# Altium PCB v3stiny.PcbDoc (part 1 of 2)
Units mm, origin at the board's own origin, x right, y up, seen from the top; angles counter-clockwise.
Board outline 63.83 x 34.29 mm, 2 copper layers (Top Layer, Bottom Layer), stack 0.871 mm thick; 140 components, 108 nets, 647 pads, 214 vias.
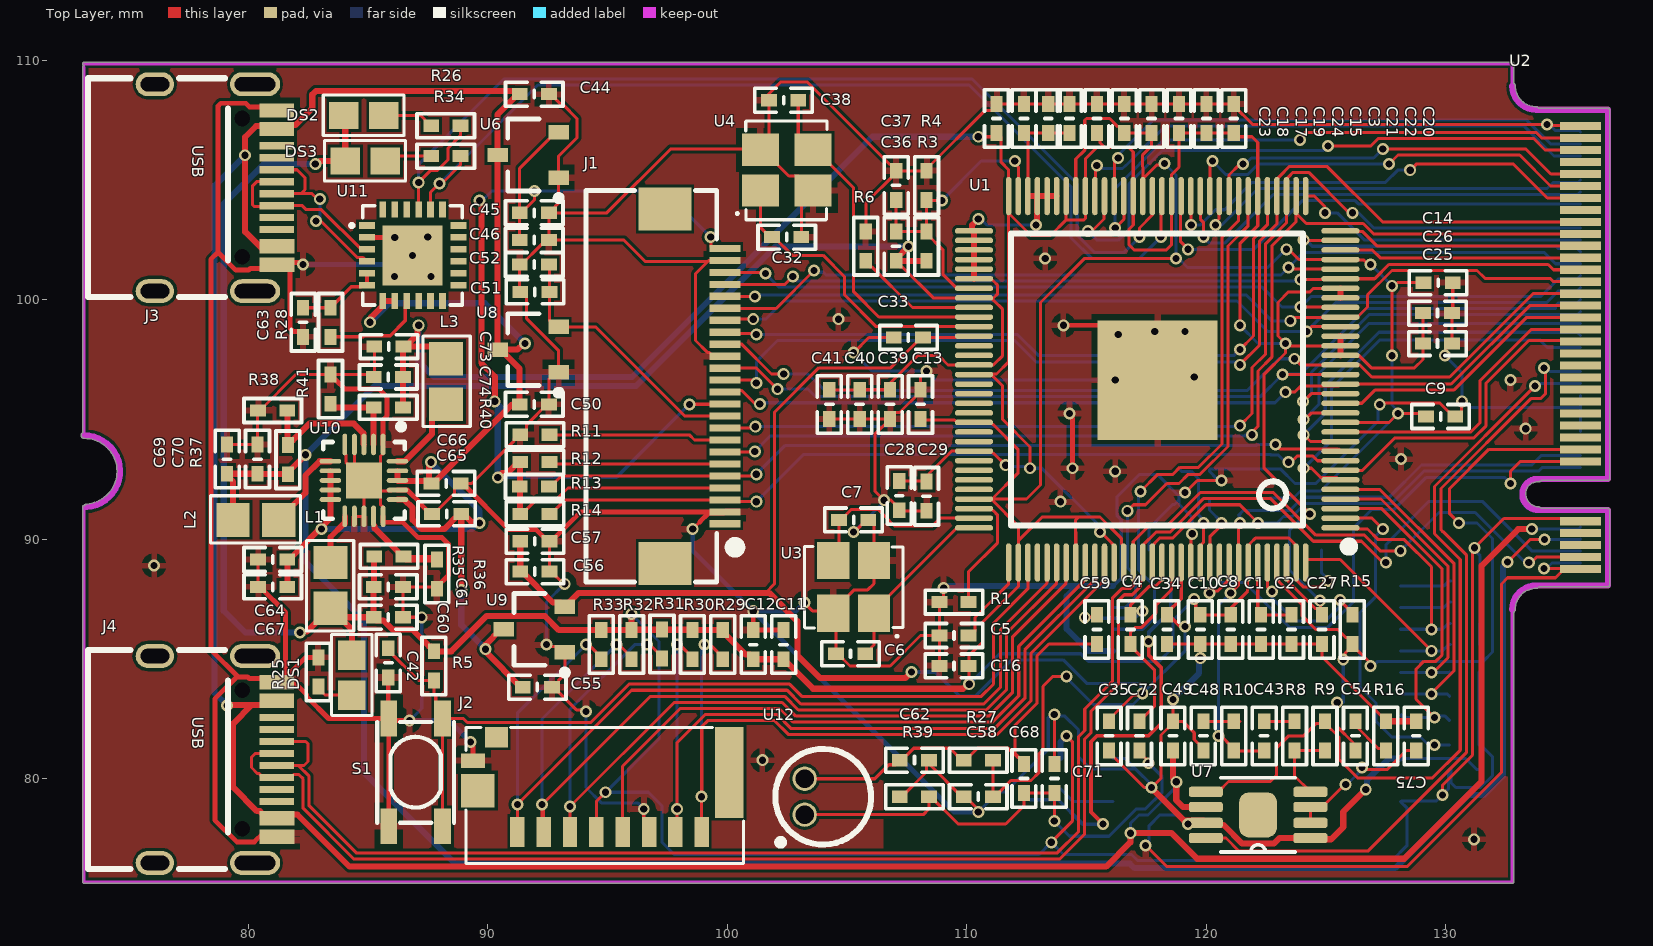
[diagram p0: Top Layer view]
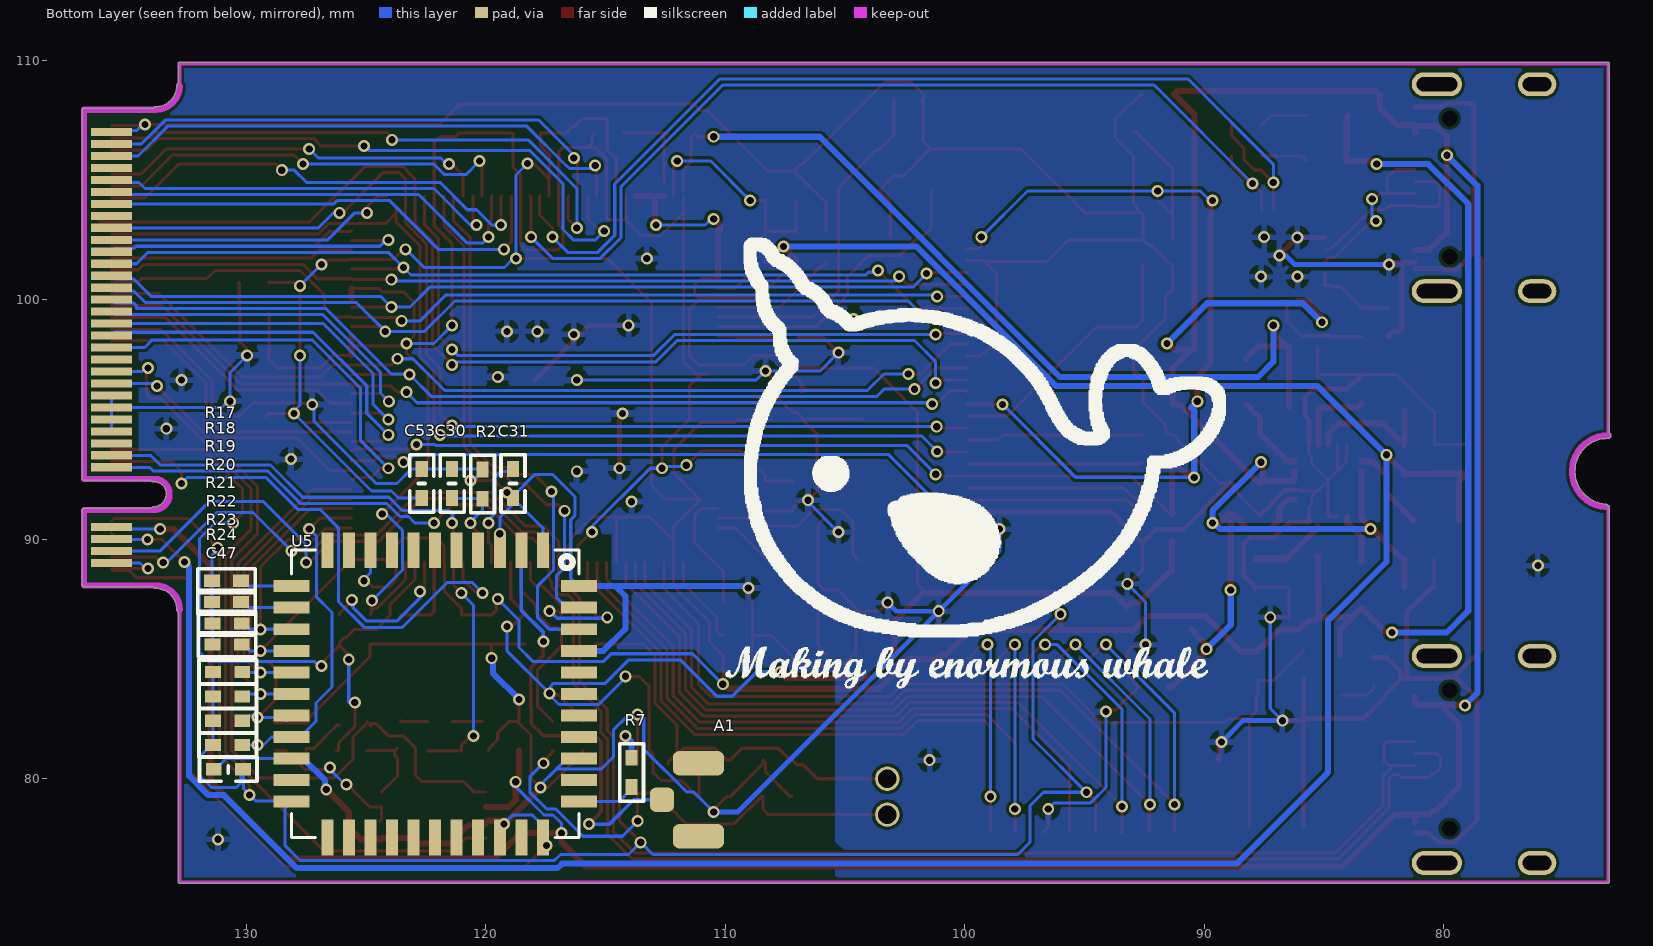
[diagram p1: Bottom Layer view, seen from below]
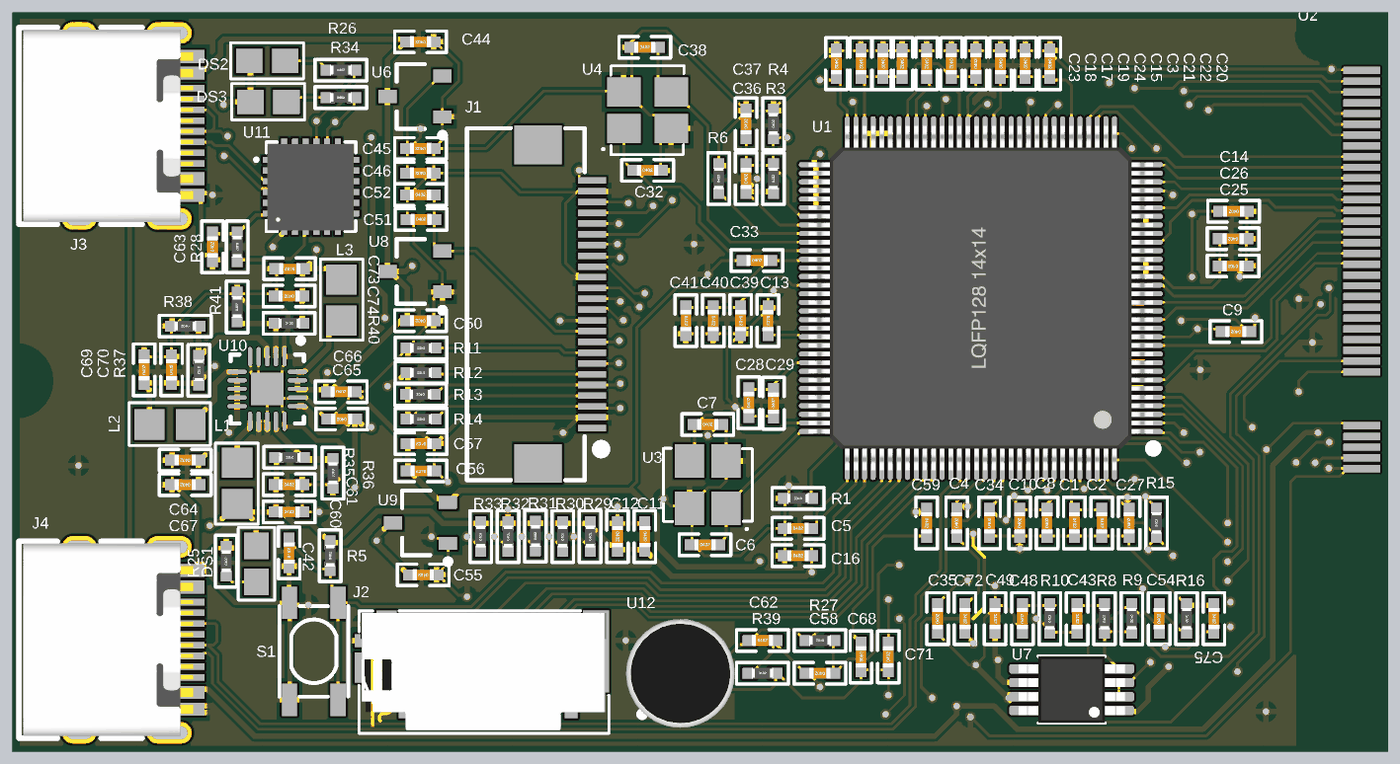
[diagram p3: 3D render of the assembled board from above, using the file's embedded part models]
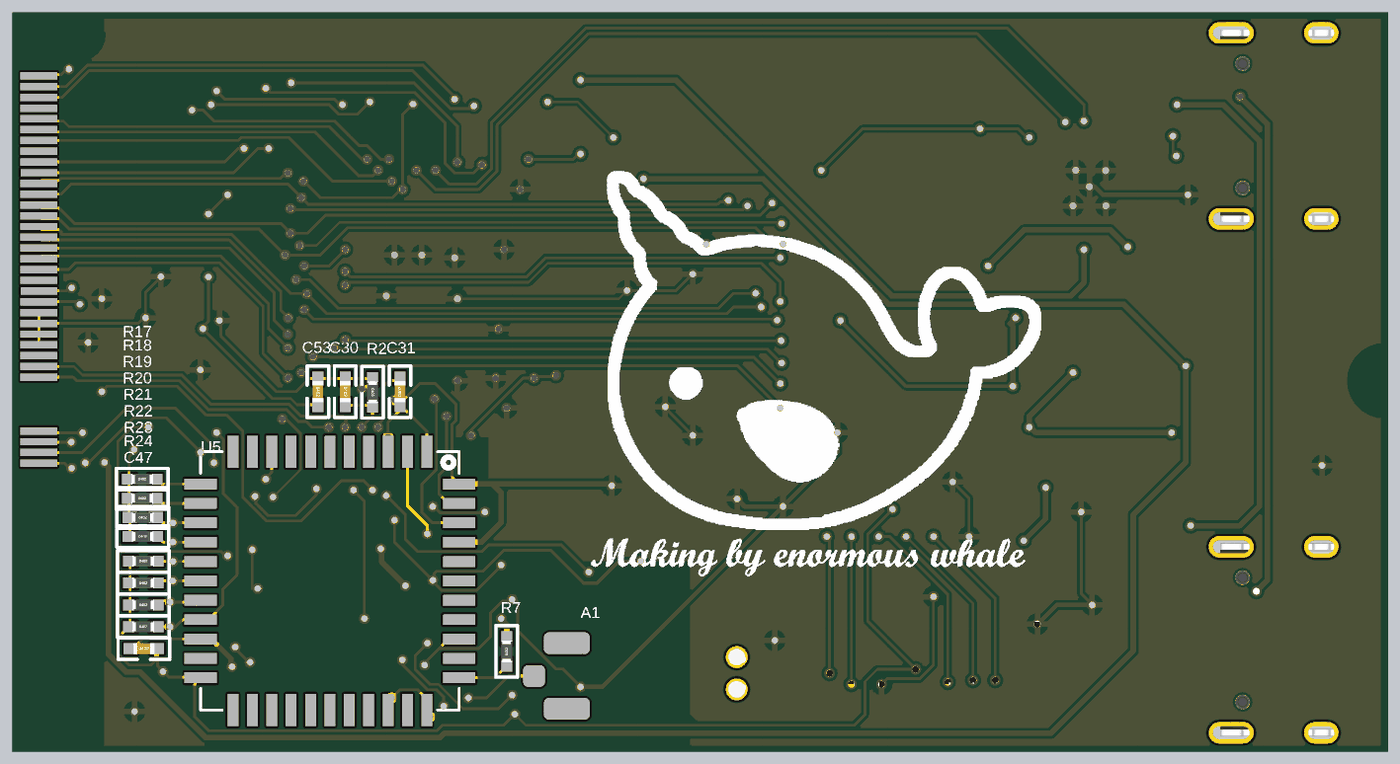
[diagram p4: 3D render of the assembled board from below, using the file's embedded part models]

## Layer stack, top to bottom
Top Solder: solder mask 0.0102, Solder Resist, Dk 3.5
Top Layer: signal copper 0.0356
Dielectric 1: dielectric 0.8, FR-4, Dk 4.8
Bottom Layer: signal copper 0.0356
Bottom Solder: solder mask 0.0102, Solder Resist, Dk 3.5

## Board outline
73.152,75.628 cw(c73.152,75.692) 73.088,75.692 73.088,91.341 cw(c73.152,91.341) 73.149,91.405 cw(c73.259,91.341) 73.25,91.468 ccw(c73.152,92.837) 74.525,92.837 ccw(c73.152,92.837) 73.152,94.21 cw(c73.152,94.337) 73.088,94.447 73.088,109.728 cw(c73.152,109.728) 73.145,109.792 cw(c73.152,109.855) 73.152,109.919 132.786,109.919 cw(c132.786,109.855) 132.85,109.855 132.85,109.044 cw(c132.786,108.933) 132.914,108.933 cw(c132.786,108.933) 132.914,108.933 ccw(c133.786,108.933) 133.786,108.061 cw(c133.786,107.933) 133.896,107.997 136.786,107.997 cw(c136.786,107.933) 136.85,107.933 136.85,92.523 cw(c136.786,92.523) 136.786,92.459 133.996,92.459 cw(c133.886,92.523) 133.877,92.396 ccw(c133.842,91.904) 133.35,91.941 ccw(c133.917,91.917) 133.892,91.351 cw(c133.886,91.223) 133.996,91.287 136.786,91.287 cw(c136.786,91.223) 136.85,91.223 136.85,88.073 cw(c136.786,88.073) 136.831,88.028 cw(c136.786,88.073) 136.786,88.01 133.896,88.01 cw(c133.786,88.073) 133.786,87.946 ccw(c133.786,87.073) 132.914,87.073 cw(c132.786,87.073) 132.85,86.963 132.85,75.748 cw(c132.786,75.748) 132.844,75.72 cw(c132.786,75.692) 132.85,75.692 cw(c132.786,75.692) 132.786,75.628

## Design rules (kind name [scope] priority, off if disabled: settings)
Clearance [All] p1: gap=0.127 ignorepadtopadclearanceinfootprint=FALSE
DiffPairsRouting DiffPair_DiffPairsRouting [InDifferentialPair ('usb')] p1: maxlimit=0.254 minlimit=0.127 mostfreqgap=0.127 toplayer_minwidth=0.127 toplayer_maxwidth=0.381 toplayer_prefwidth=0.127 bottomlayer_minwidth=0.127 bottomlayer_maxwidth=0.381 bottomlayer_prefwidth=0.127 maxuncoupledlength=12.7
DiffPairsRouting [All] p2: maxlimit=0.254 minlimit=0.254 mostfreqgap=0.254 toplayer_minwidth=0.381 toplayer_maxwidth=0.381 toplayer_prefwidth=0.381 bottomlayer_minwidth=0.381 bottomlayer_maxwidth=0.381 bottomlayer_prefwidth=0.381 maxuncoupledlength=12.7
HoleToHoleClearance [All] p1: gap=0.127 allowstackedmicrovias=TRUE
MatchedLengths DiffPair_MatchedLengths [InDifferentialPair ('usb')] p1: tolerance=25.4 checknetsindiffpair=FALSE checkdiffpairvsdiffpair=TRUE checkxsignals=TRUE checkothers=TRUE usedelayunits=FALSE
MinimumSolderMaskSliver [All] p1: minsoldermaskwidth=0.127
PolygonConnect [All] p1: connectstyle=Relief reliefconductorwidth=0.254 reliefentries=4 polygonreliefangle="90 Angle" airgapwidth=0.254
RoutingVias [All] p1: holewidth=0.711 width=1.27 viastyle="Through Hole" minholewidth=0.254 minwidth=0.254 maxholewidth=0.711 maxwidth=1.27
SolderMaskExpansion [All] p1: expansion=0.102
Width [All] p1: maxlimit=0.762 minlimit=0.127 preferedwidth=0.127
27 further rules are at their usual default settings.

## Classes and differential pairs
net class equal: PE6/LCD_D4 PE7/LCD_D5 PE10/LCD_D10 PE11/LCD_D11 PE12/LCD_D12 PE13/LCD_D13 PE14/LCD_D14 PE15/LCD_D15
differential pair usb: +USB_DM -USB_DP

## Components (designator, comment, footprint, x,y, rotation, side; value= is the part's Value field where it differs from the comment)
A1 "IPX_SMA" IPX_SMA 111.125,79.121 r0 bottom
C1 "100nF" "C 0402_M" 122.301,86.233 r270 top
C2 "1UF" "C 0402_M" 123.571,86.233 r270 top
C3 "10nF" "C 0402_M" 117.729,107.569 r90 top
C4 "10nF" "C 0402_M" 116.84,86.233 r90 top
C5 "1uF" "C 0402_M" 109.474,85.979 r0 top
C6 "10PF" "C 0402_M" 105.156,85.217 r0 top
C7 "10PF" "C 0402_M" 105.283,90.805 r0 top
C8 "10NF" "C 0402_M" 121.031,86.233 r90 top
C9 "10NF" "C 0402_M" 129.794,95.123 r180 top
C10 "10NF" "C 0402_M" 119.761,86.233 r90 top
C11 "10NF" "C 0402_M" 102.362,85.598 r270 top
C12 "10NF" "C 0402_M" 101.092,85.598 r270 top
C13 "1UF" "C 0402_M" 108.077,95.631 r270 top
C14 "10NF" "C 0402_M" 129.692,100.711 r180 top
C15 "10NF" "C 0402_M" 116.586,107.569 r270 top
C16 "10NF" "C 0402_M" 109.474,84.709 r0 top
C17 "10UF" "C 0402_M" 113.411,107.569 r270 top
C18 "1UF" "C 0402_M" 112.395,107.569 r270 top
C19 "10NF" "C 0402_M" 114.3,107.569 r270 top
C20 "10NF" "C 0402_M" 121.158,107.569 r270 top
C21 "10NF" "C 0402_M" 118.872,107.569 r270 top
C22 "10NF" "C 0402_M" 120.015,107.569 r270 top
C23 "10NF" "C 0402_M" 111.252,107.569 r270 top
C24 "10NF" "C 0402_M" 115.443,107.569 r270 top
C25 "10NF" "C 0402_M" 129.667,98.171 r180 top
C26 "1UF" "C 0402_M" 129.667,99.441 r180 top
C27 "10NF" "C 0402_M" 124.841,86.233 r90 top
C28 "10NF" "C 0402_M" 107.188,91.821 r90 top
C29 "10NF" "C 0402_M" 108.331,91.796 r90 top
C30 "10UF" "C 0402_M" 121.412,92.329 r270 bottom
C31 "1UF" "C 0402_M" 118.872,92.329 r90 bottom
C32 "10PF" "C 0402_M" 102.489,102.616 r0 top
C33 "10NF" "C 0402_M" 107.569,98.425 r0 top
C34 "10NF" "C 0402_M" 118.364,86.233 r90 top
C35 "10UF" "C 0402_M" 115.951,81.788 r90 top
C36 "10NF" "C 0402_M" 107.061,102.235 r90 top
C37 "10NF" "C 0402_M" 107.061,104.775 r90 top
C38 "10PF" "C 0402_M" 102.362,108.331 r0 top
C39 "10NF" "C 0402_M" 106.807,95.631 r270 top
C40 "100NF" "C 0402_M" 105.537,95.631 r270 top
C41 "1uF" "C 0402_M" 104.267,95.631 r270 top
C42 "1UF" "C 0402_M" 85.852,84.836 r90 top
C43 "330NF" "C 0402_M" 122.428,81.788 r270 top
C44 "1uF" "C 0402_M" 91.948,108.585 r180 top
C45 "10uF" "C 0402_M" 91.948,103.632 r180 top
C46 "1uF" "C 0402_M" 91.948,102.489 r180 top
C47 "10nF" "C 0402_M" 130.759,80.391 r180 bottom
C48 "100NF" "C 0402_M" 119.888,81.788 r90 top
C49 "10uF" "C 0402_M" 118.618,81.788 r270 top
C50 "1uF" "C 0402_M" 91.948,95.631 r180 top
C51 "10uF" "C 0402_M" 91.973,100.33 r0 top
C52 "1uF" "C 0402_M" 91.948,101.473 r0 top
C53 "10nF" "C 0402_M" 122.682,92.329 r270 bottom
C54 "100nF" "C 0402_M" 126.238,81.788 r90 top
C55 "10uF" "C 0402_M" 92.075,83.82 r180 top
C56 "10uF" "C 0402_M" 91.973,88.646 r180 top
C57 "10nF" "C 0402_M" 91.973,89.916 r180 top
C58 "1uF" "C 0402_M" 110.49,79.248 r180 top
C59 "10NF" "C 0402_M" 115.443,86.233 r270 top
C60 "10uF" "C 0402_M" 85.852,86.741 r0 top
C61 "1uF" "C 0402_M" 85.852,88.011 r0 top
C62 "33PF" "C 0402_M" 107.823,80.772 r0 top
C63 "1uF" "C 0402_M" 82.296,99.06 r90 top
C64 "10uF" "C 0402_M" 81.026,89.154 r180 top
C65 "10uF" "C 0402_M" 88.29,91.059 r180 top
C66 "10uF" "C 0402_M" 88.265,92.329 r0 top
C67 "1uF" "C 0402_M" 81.026,88.011 r180 top
C68 "100PF" "C 0402_M" 112.395,80.01 r270 top
C69 "10uF" "C 0402_M" 79.121,93.345 r90 top
C70 "1uF" "C 0402_M" 80.391,93.345 r90 top
C71 "33PF" "C 0402_M" 113.665,80.01 r90 top
C72 "10NF" "C 0402_M" 117.221,81.788 r270 top
C73 "10uF" "C 0402_M" 85.877,98.044 r180 top
C74 "1uF" "C 0402_M" 85.852,96.774 r180 top
C75 "1uF" "C 0402_M" 128.778,81.788 r270 top
DS1 "RLED" LED_0603 84.328,84.328 r270 top
DS2 "RLED" LED_0603 84.836,107.696 r0 top
DS3 "RLED" LED_0603 84.89,105.791 r0 top
J1 "0v5640" "FPC0.5 2H-WS-24P" 97.409,96.393 r270 top
J2 "Micro SD" "TF-SOCKET - SHORT" 94.742,79.756 r90 top
J3 "USB type C" "USB Type-C-16Pin_A" 76.106,104.679 r270 top
J4 "USB type C" "USB Type-C-16Pin_A" 76.106,80.803 r270 top
L1 "2.2uH" L_0805 83.439,88.072 r90 top
L2 "2.2uH" L_0805 80.325,90.805 r0 top
L3 "2.2uH" L_0805 88.265,96.586 r270 top
R1 "1K" "R 0402_M" 109.474,87.376 r180 top
R2 "200K" "R 0402_M" 120.142,92.304 r270 bottom
R3 "1K" "R 0402_M" 108.331,102.235 r90 top
R4 "1K" "R 0402_M" 108.331,104.775 r90 top
R5 "10K" "R 0402_M" 87.757,84.709 r90 top
R6 "240" "R 0402_M" 105.791,102.235 r90 top
R7 "10k" "R 0402_M" 113.919,80.264 r90 bottom
R8 "20k" "R 0402_M" 123.698,81.788 r90 top
R9 "75k" "R 0402_M" 124.968,81.788 r270 top
R10 "22R" "R 0402_M" 121.158,81.788 r90 top
R11 "10k" "R 0402_M" 91.973,94.361 r180 top
R12 "10k" "R 0402_M" 91.973,93.218 r180 top
R13 "10k" "R 0402_M" 91.948,92.202 r180 top
R14 "10k" "R 0402_M" 91.973,91.059 r180 top
R15 "0R" "R 0402_M" 126.111,86.233 r90 top
R16 "22R" "R 0402_M" 127.508,81.788 r270 top
R17 "10k" "R 0402_M" 130.835,88.265 r180 bottom
R18 "10k" "R 0402_M" 130.835,87.376 r180 bottom
R19 "10k" "R 0402_M" 130.81,86.487 r180 bottom
R20 "10k" "R 0402_M" 130.81,85.598 r180 bottom
R21 "10k" "R 0402_M" 130.785,84.455 r180 bottom
R22 "10k" "R 0402_M" 130.785,83.439 r180 bottom
R23 "10k" "R 0402_M" 130.785,82.423 r180 bottom
R24 "10k" "R 0402_M" 130.785,81.407 r180 bottom
R25 "4k7" "R 0402_M" 82.931,84.455 r90 top
R26 "4k7" "R 0402_M" 88.252,107.267 r0 top
R27 "2k" "R 0402_M" 110.49,80.772 r180 top
R28 "10k" "R 0402_M" 83.439,99.06 r270 top
R29 "10k" "R 0402_M" 99.822,85.598 r90 top
R30 "10k" "R 0402_M" 98.552,85.598 r90 top
R31 "10k" "R 0402_M" 97.282,85.623 r90 top
R32 "10k" "R 0402_M" 96.012,85.598 r90 top
R33 "10k" "R 0402_M" 94.742,85.598 r90 top
R34 "4k7" "R 0402_M" 88.252,105.997 r0 top
R35 "680k" "R 0402_M" 85.877,89.281 r180 top
R36 "150k" "R 0402_M" 87.884,88.544 r270 top
R37 "300k" "R 0402_M" 81.661,93.32 r270 top
R38 "150k" "R 0402_M" 81.026,95.377 r180 top
R39 "2k" "R 0402_M" 107.823,79.248 r0 top
R40 "150k" "R 0402_M" 85.852,95.504 r0 top
R41 "150k" "R 0402_M" 83.439,96.266 r90 top
S1 "SW" SW-3.2*4.2 86.995,80.264 r90 top
U1 "V3S_1" "LQFP129 14x14_N" 117.962,96.678 r90 top
U2 "M.2" M.2 135.643,99.458 r90 top
U3 "3225 32K" "XT 3225 26M" 105.283,88.011 r180 top
U4 "3225 26M" "XT 3225 26M" 102.489,105.41 r90 top
U5 "RTL8723BS_Module" R8723BS 122.047,83.439 r270 top
U6 "XC6206-2v7" XC6206P18 91.694,106.045 r180 top
U7 "LM4871" MSOP-8 122.174,78.486 r180 top
U8 "XC6206-1V3" XC6206P18 91.694,97.917 r180 top
U9 "XC6206-3V0" XC6206P18 91.948,86.233 r180 top
U10 "EA3036" EA3036 84.836,92.456 r270 top
U11 "CP2104" CPL2102N 86.868,101.854 r270 top
U12 "MIC" MIC-0416 104.013,79.248 r180 top

## Footprints (in the part's own frame and the unit in brackets; to place one, negate y for a bottom-side part, rotate by r counter-clockwise, add the part's x,y. Pads: shape width x height; smd on the part's side, far side on the other; paste and mask are expansions set on the pad)
"C 0402_M" [mil] "无极性贴片电容                                  淘宝ID:黄晶宝石"
  rect 26x20 smd: 1(-24,0) 2(24,0)
  silkscreen extent -47,-20 47,20, body extent -20,-10 20,10, height 21
CPL2102N [mm]
  rect 0.28x0.665 smd: 1(-1.25,-1.907) 2(-0.75,-1.907) 3(-0.25,-1.907) 4(0.25,-1.907) 5(0.75,-1.907) 6(1.25,-1.907) 13(1.25,1.907) 14(0.75,1.907) 15(0.25,1.907) 16(-0.25,1.907) 17(-0.75,1.907) 18(-1.25,1.907)
  rect 0.665x0.28 smd: 7(1.907,-1.25) 8(1.907,-0.75) 9(1.907,-0.25) 10(1.907,0.25) 11(1.907,0.75) 12(1.907,1.25) 19(-1.907,1.25) 20(-1.907,0.75) 21(-1.907,0.25) 22(-1.907,-0.25) 23(-1.907,-0.75) 24(-1.907,-1.25)
  rect 2.5x2.5 smd: 25(0,0)
  silkscreen extent -2.08,-2.61 2.08,2.08, body extent -1.97,-2.03 2.03,1.97, height 0.9
EA3036 [mm] "QFN, 20-Leads, Body 3.00x3.00mm, Pitch 0.40mm, Thermal Pad 1.50x1.50mm, IPC Medium Density"
  oval 0.9x0.2 smd mask+0.05: 1(-1.5,0.8) 2(-1.5,0.4) 3(-1.5,0) 4(-1.5,-0.4) 5(-1.5,-0.8) 11(1.5,-0.8) 12(1.5,-0.4) 13(1.5,0) 14(1.5,0.4) 15(1.5,0.8)
  oval 0.2x0.9 smd mask+0.05: 6(-0.8,-1.4) 7(-0.4,-1.4) 8(0,-1.4) 9(0.4,-1.4) 10(0.8,-1.4) 16(0.8,1.4) 17(0.4,1.4) 18(0,1.4) 19(-0.4,1.4) 20(-0.8,1.4)
  rect 1.5x1.5 smd: 21(0,0)
  silkscreen extent -2.37,-1.7 1.6,1.7, body extent -1.45,-1.55 1.45,1.55, height 0.25
"FPC0.5 2H-WS-24P" [mm]
  rect 0.3x1.3 smd: 1(5.75,2.497) 2(5.25,2.497) 3(4.75,2.497) 4(4.25,2.497) 5(3.75,2.497) 6(3.25,2.497) 7(2.75,2.497) 8(2.25,2.497) 9(1.75,2.497) 10(1.25,2.497) 11(0.75,2.497) 12(0.25,2.497) 13(-0.25,2.497) 14(-0.75,2.497) 15(-1.25,2.497) 16(-1.75,2.497) 17(-2.25,2.497) 18(-2.75,2.497) 19(-3.25,2.497) 20(-3.75,2.497) 21(-4.25,2.497) 22(-4.75,2.497) 23(-5.25,2.497) 24(-5.75,2.497)
  rect 1.8x2.2 smd: 25(-7.4,0) 26(7.4,0)
  silkscreen extent -8.18,-3.3 8.18,3.1, body extent -8.1,-3.15 8.1,2.85, height 0.25
IPX_SMA [mil]
  rrect50% 40x40 smd mask+4: 1(60,0)
  rrect50% 84x40 smd: 2(0,-60) 2(0,60)
L_0805 [mm]
  rect 1.39x1.42 smd: 1(-0.955,0) 2(0.955,0)
  silkscreen extent -1.9,-0.97 1.87,1.01, body extent -0.9,-0.7 0.9,0.7, height 1.1
LED_0603 [mm]
  rect 1.23x1.14 smd: 1(-0.835,0) 2(0.835,0)
  silkscreen extent -1.7,-0.84 1.68,0.85, body extent -0.7,-0.35 0.7,0.35, height 0.9
"LQFP129 14x14_N" [mm] "129脚，体宽：14x14mm, 脚距：0.4mm"
  oval 0.23x1.6 smd: 1(-6.2,-7.648) 2(-5.8,-7.648) 3(-5.4,-7.648) 4(-5,-7.648) 5(-4.6,-7.648) 6(-4.2,-7.648) 7(-3.8,-7.648) 8(-3.4,-7.648) 9(-3,-7.648) 10(-2.6,-7.648) 11(-2.2,-7.648) 12(-1.8,-7.648) 13(-1.4,-7.648) 14(-1,-7.648) 15(-0.6,-7.648) 16(-0.2,-7.648) 17(0.2,-7.648) 18(0.6,-7.648) 19(1,-7.648) 20(1.4,-7.648) 21(1.8,-7.648) 22(2.2,-7.648) 23(2.6,-7.648) 24(3,-7.648) 25(3.4,-7.648) 26(3.8,-7.648) 27(4.2,-7.648) 28(4.6,-7.648) 29(5,-7.648) 30(5.4,-7.648) 31(5.8,-7.648) 32(6.2,-7.648) 65(6.2,7.653) 66(5.8,7.653) 67(5.4,7.653) 68(5,7.653) 69(4.6,7.653) 70(4.2,7.653) 71(3.8,7.653) 72(3.4,7.653) 73(3,7.653) 74(2.6,7.653) 75(2.2,7.653) 76(1.8,7.653) 77(1.4,7.653) 78(1,7.653) 79(0.6,7.653) 80(0.2,7.653) 81(-0.2,7.653) 82(-0.6,7.653) 83(-1,7.653) 84(-1.4,7.653) 85(-1.8,7.653) 86(-2.2,7.653) 87(-2.6,7.653) 88(-3,7.653) 89(-3.4,7.653) 90(-3.8,7.653) 91(-4.2,7.653) 92(-4.6,7.653) 93(-5,7.653) 94(-5.4,7.653) 95(-5.8,7.653) 96(-6.2,7.653)
  oval 1.6x0.23 smd: 33(7.651,-6.198) 34(7.651,-5.798) 35(7.651,-5.398) 36(7.651,-4.998) 37(7.651,-4.598) 38(7.651,-4.198) 39(7.651,-3.798) 40(7.651,-3.398) 41(7.651,-2.998) 42(7.651,-2.598) 43(7.651,-2.198) 44(7.651,-1.798) 45(7.651,-1.398) 46(7.651,-0.998) 47(7.651,-0.598) 48(7.651,-0.198) 49(7.651,0.202) 50(7.651,0.602) 51(7.651,1.002) 52(7.651,1.402) 53(7.651,1.802) 54(7.651,2.202) 55(7.651,2.602) 56(7.651,3.002) 57(7.651,3.402) 58(7.651,3.802) 59(7.651,4.202) 60(7.651,4.602) 61(7.651,5.002) 62(7.651,5.402) 63(7.651,5.802) 64(7.651,6.202) 97(-7.651,6.202) 98(-7.651,5.802) 99(-7.651,5.402) 100(-7.651,5.002) 101(-7.651,4.602) 102(-7.651,4.202) 103(-7.651,3.802) 104(-7.651,3.402) 105(-7.651,3.002) 106(-7.651,2.602) 107(-7.651,2.202) 108(-7.651,1.802) 109(-7.651,1.402) 110(-7.651,1.002) 111(-7.651,0.602) 112(-7.651,0.202) 113(-7.651,-0.198) 114(-7.651,-0.598) 115(-7.651,-0.998) 116(-7.651,-1.398) 117(-7.651,-1.798) 118(-7.651,-2.198) 119(-7.651,-2.598) 120(-7.651,-2.998) 121(-7.651,-3.398) 122(-7.651,-3.798) 123(-7.651,-4.198) 124(-7.651,-4.598) 125(-7.651,-4.998) 126(-7.651,-5.398) 127(-7.651,-5.798) 128(-7.651,-6.198)
  rect 5x5 smd: 129(-0.038,-0.01)
  silkscreen extent -7.11,-8.13 6.1,6.1, body extent -8,-8 8,8.01, height 1.45
M.2 [mm]
  rect 0.34x1.7 smd: 1(7.795,0.007) 3(7.295,0.007) 5(6.795,0.007) 7(6.295,0.007) 9(5.795,0.007) 11(5.295,0.007) 13(4.795,0.007) 15(4.295,0.007) 17(3.795,0.007) 19(3.295,0.007) 21(2.795,0.007) 23(2.295,0.007) 25(1.795,0.007) 27(1.295,0.007) 29(0.795,0.007) 31(0.295,0.007) 33(-0.205,0.007) 35(-0.705,0.007) 37(-1.205,0.007) 39(-1.705,0.007) 41(-2.205,0.007) 43(-2.705,0.007) 45(-3.205,0.007) 47(-3.705,0.007) 49(-4.205,0.007) 51(-4.705,0.007) 53(-5.205,0.007) 55(-5.705,0.007) 57(-6.205,0.007) 67(-8.705,0.007) 69(-9.205,0.007) 71(-9.705,0.007) 73(-10.205,0.007) 75(-10.705,0.007)
  rect 0.34x1.7 smd far side: 2(7.545,0.007) 4(7.046,0.007) 6(6.546,0.007) 8(6.046,0.007) 10(5.546,0.007) 12(5.046,0.007) 14(4.546,0.007) 16(4.046,0.007) 18(3.546,0.007) 20(3.044,0.008) 22(2.546,0.007) 24(2.046,0.007) 26(1.546,0.007) 28(1.046,0.007) 30(0.546,0.007) 32(0.046,0.007) 34(-0.454,0.007) 36(-0.954,0.007) 38(-1.454,0.007) 40(-1.954,0.007) 42(-2.452,0.008) 44(-2.954,0.007) 46(-3.454,0.007) 48(-3.954,0.007) 50(-4.454,0.007) 52(-4.954,0.007) 54(-5.454,0.007) 56(-5.954,0.007) 58(-6.454,0.007) 68(-8.954,0.007) 70(-9.454,0.007) 72(-9.954,0.007) 74(-10.454,0.007)
  Keep-Out Layer lines w0.254: -12.384,2.857 cw(c-12.384,1.857) -11.384,1.857 -11.384,-1.143 -8.235,-1.143 -8.235,1.757 cw(c-7.585,1.788) -6.935,1.757 -6.935,-1.143 8.475,-1.143 8.475,1.857 cw(c9.475,1.857) 9.475,2.857
MIC-0416 [mil]
  round 40 hole 30: 1(30.43,29.53) 2(30.43,-29.53)
  silkscreen extent -79,-79 79,80, body extent -99,-99 99,100, height 102
MSOP-8 [mil]
  rrect50% 56x17 smd: 1(-86,38) 2(-86,13) 3(-86,-13) 4(-86,-38) 5(86,-38) 6(86,-13) 7(86,13) 8(86,38)
  rrect50% 62x74 smd: 9(0,0)
  silkscreen extent -61,-61 61,61, body extent -97,-61 97,61, height 45
R8723BS [mm]
  rect 1.5x0.5 smd far side: 1(-6.102,-4.424) 3(-6.102,-2.624) 4(-6.102,-1.724) 5(-6.102,-0.824) 6(-6.102,0.076) 7(-6.102,0.976) 8(-6.102,1.876) 9(-6.102,2.776) 10(-6.102,3.676) 11(-6.102,4.576) 23(5.898,4.576) 24(5.898,3.676) 25(5.898,2.776) 26(5.898,1.876) 27(5.898,0.976) 28(5.898,0.076) 29(5.898,-0.824) 30(5.898,-1.724) 31(5.898,-2.624) 32(5.898,-3.524) 33(5.898,-4.424)
  rect 1.5x0.5 smd far side mask+0.102: 2(-6.102,-3.524)
  rect 0.5x1.5 smd far side: 12(-4.602,6.076) 13(-3.702,6.076) 14(-2.802,6.076) 15(-1.902,6.076) 16(-1.002,6.076) 17(-0.102,6.076) 18(0.798,6.076) 19(1.698,6.076) 20(2.598,6.076) 21(3.498,6.076) 22(4.398,6.076) 34(4.398,-5.924) 35(3.498,-5.924) 36(2.598,-5.924) 37(1.698,-5.924) 38(0.798,-5.924) 39(-0.102,-5.924) 40(-1.002,-5.924) 41(-1.902,-5.924) 42(-2.802,-5.924) 43(-3.702,-5.924) 44(-4.602,-5.924)
  body extent -6.1,-5.92 5.9,6.08, height 1.6
"R 0402_M" [mil] "1/16W贴片电阻       淘宝ID:黄晶宝石"
  rect 26x20 smd: 1(-24,0) 2(24,0)
  silkscreen extent -47,-20 47,20, body extent -20,-10 20,10, height 12
SW-3.2*4.2 [mm]
  rect 1.5x0.7 smd: 1(-2.25,1.125) 1(2.25,1.125) 2(-2.25,-1.125) 2(2.25,-1.125)
  silkscreen extent -2.1,-1.6 2.1,1.6, body extent -2.73,-1.6 2.47,1.58, height 1.8
"TF-SOCKET - SHORT" [mm]
  rect 1.25x0.6 smd: 1(-1.975,3.5) 2(-1.975,2.4) 3(-1.975,1.3) 4(-1.975,0.2) 5(-1.975,-0.9) 6(-1.975,-2) 7(-1.975,-3.1) 8(-1.975,-4.2)
  rect 0.85x0.95 smd: 9(1.975,4.375)
  rect 0.6x1 smd: 10(1,5.35)
  rect 3.8x1.2 smd: G1(0.51,-5.35)
  rect 1.4x1.4 smd: G2(-0.25,5.15)
  silkscreen extent -3.3,-5.95 2.39,5.65, body extent -3.16,-5.82 2.29,5.58, height 2.27
"USB Type-C-16Pin_A" [mm]
  oval 1x2.1 hole 0.6 slot 1.7 at 90 deg: 0(-4.32,4.18) 0(4.32,4.18)
  oval 1x1.6 hole 0.6 slot 1.2 at 90 deg: 0(-4.32,0) 0(4.32,0)
  round 0 hole 0.65: 0(-2.89,3.65) 0(2.89,3.65)
  rect 0.3x1.45 smd: A1(-3.375,5.092) A4(-2.6,5.092) A5(-1.25,5.092) A6(-0.25,5.092) A7(0.25,5.092) A8(-1.75,5.092) A9(2.6,5.1) A12(3.375,5.1) B1(3.075,5.1) B4(2.3,5.1) B5(1.75,5.092) B6(0.75,5.092) B7(-0.75,5.092) B8(1.25,5.092) B9(-2.3,5.092) B12(-3.075,5.092)
  silkscreen extent -4.57,-2.79 4.57,3.05, body extent -4.47,-2.6 4.47,5.3, height 3.25
XC6206P18 [mm] "SOT23, 3-Leads, Body 2.90x2.45mm, Pitch 0.95mm, IPC Medium Density"
  rect 0.85x0.6 smd: 1(-1.275,0.95) 2(-1.275,-0.95) 3(1.275,0)
  silkscreen extent -1.4,-1.5 0.85,1.92, body extent -0.85,-1.5 0.85,1.5, height 1.1
"XT 3225 26M" [mm]
  rect 1.35x1.55 smd: 1(-0.85,1.1) 2(-0.85,-1.1) 3(0.85,-1.1) 4(0.85,1.1)
  silkscreen extent -2.07,-1.69 2.06,2.11, body extent -1.8,-1.45 1.8,1.45, height 0.45

## Part data
A1: "IPX"
C1 C2 C3 C4 C5 C6 C7 C8 C9 C10 C11 C12 C13 C14 C15 C16 C17 C18 C19 C20 C21 C22 C23 C24 C25 C26 C27 C28 C29 C30 C31 C32 C33 C34 C35 C36 C37 C38 C39 C40 C41 C42 C43 C44 C45 C46 C47 C48 C49 C50 C51 C52 C53 C54 C55 C56 C57 C58 C59 C60 C61 C62 C63 C64 C65 C66 C67 C68 C69 C70 C71 C72 C73 C74 C75: library part C
DS1 DS2 DS3: library part LED
J2: "Micro SD卡", BOM名称=Micro, 学习资源=www.o
J3 J4: library part USB_C
L1 L2 L3: library part L
R1 R2 R3 R4 R5 R6 R7 R8 R9 R10 R11 R12 R13 R14 R15 R16 R17 R18 R19 R20 R21 R22 R23 R24 R25 R26 R27 R28 R29 R30 R31 R32 R33 R34 R35 R36 R37 R38 R39 R40 R41: library part R
U3: library part "3225 26M"
U8: library part XC6206-1V8

## Via types
v1: diameter 0.5, hole 0.3, Top Layer to Bottom Layer, tented both sides, 214 vias

## Nets (pads, with @x,y where several pads share a name; then routed paths per layer and width w, separated by ;. In a path a pad name is that pad's centre, name@x,y a point inside that pad or via, vN(x,y) a via of type N, cw(c..) or ccw(c..) an arc to the next point about the centre after c; other vN are vias at no path point)
1V2: C20.2 C21.2 C22.2 C23.2 C24.2 C25.2 C26.2 C27.2 C28.2 C29.2 C73.1 C74.1 L3.1 R40.2 U1.19 U1.20 U1.21 U1.25 U1.26 U1.38 U1.47 U1.51 U1.56 U1.58 U1.64 U1.80 U1.88 U1.108 U1.126 | length 127.9
  Top Layer w0.127: C28.2@107.188,92.431 108.306,92.431 C29.2@108.331,92.405 108.331,92.637 109.372,93.678 U1.88@110.309,93.678 111.022,93.678 111.117,93.583 111.141,93.583 v1(111.633,93.091) ; 110.739,106.878 110.561,106.878 v1(110.49,106.807) 111.125,106.807 C23.2@111.252,106.934 ; U1.80@110.744,96.901 110.747,96.898 111.249,96.898 111.76,97.409 U1.64@111.76,103.616 ; U1.80@111.022,96.878 111.117,96.783 111.121,96.783 111.506,96.398 111.506,94.996 112.649,93.853 v1(112.649,92.964) ; C23.2@111.252,106.959 111.442,106.769 111.442,105.74 111.76,105.422 U1.64@111.76,104.521 ; U1.64@111.76,104.329 U1.64@111.76,103.616 ; U1.58@114.16,104.329 114.16,103.338 ; C24.2@115.443,106.959 115.57,106.832 115.57,106.553 115.76,106.363 ; v1@115.71,90.194 116.066,89.839 116.066,89.834 116.16,89.74 U1.108@116.16,89.027 ; C21.2@118.872,106.934 118.872,105.537 118.56,105.225 U1.47@118.56,104.329 118.56,102.295 118.34,102.074 117.001,102.074 116.781,102.294 116.781,102.945 116.96,103.124 U1.51@116.96,104.329 116.96,106.172 116.769,106.362 115.76,106.362 ; C21.2@118.91,106.921 118.948,106.959 C22.2@120.015,106.959 C20.2@121.158,106.959 121.158,106.934 121.285,106.807 121.92,106.807 122.16,106.567 U1.38@122.16,104.329 122.16,103.088 121.412,102.34 v1(121.412,98.933) ; U1.126@123.36,89.027 123.36,88.314 123.454,88.22 123.454,88.215 124.561,87.109 124.65,87.109 C27.2@124.777,86.982 ; v1@123.511,98.078 U1.20@125.611,98.078 ; v1(124.333,91.059) 122.428,92.964 122.428,96.889 123.317,97.778 v1(123.317,98.171) 123.004,98.484 123.004,99.89 123.444,100.33 124.341,100.33 124.489,100.478 U1.26@125.611,100.478 ; v1(124.761,87.433) 124.777,87.417 C27.2@124.777,86.982 ; C27.2@124.841,86.843 124.777,86.906 C27.2@124.777,86.982 ; U1.19@125.611,97.678 126.379,97.678 126.902,97.155 128.704,97.155 129.057,97.509 C25.2@129.057,98.171 C26.2@129.057,99.441 ; U1.64@111.76,103.616 111.855,103.521 111.855,103.517 112.688,102.684 113.506,102.684 114.16,103.338 ; 114.16,103.338 114.907,103.338 114.96,103.391 U1.56@114.96,104.329 114.96,105.88 115.443,106.363 115.76,106.363
  Top Layer w0.254: R40.2@86.462,95.504 C74.1@86.462,96.774 86.474,96.787 86.474,98.031 C73.1@86.487,98.044 C73.1@86.563,98.044 ; v1(87.122,98.933) 87.075,98.886 87.075,98.556 C73.1@86.563,98.044 ; L3.1@88.265,97.541 87.762,98.044 C73.1@86.563,98.044 ; U1.19@125.611,97.678 U1.20@125.611,98.078 U1.21@125.611,98.478 ; U1.25@125.611,100.078 U1.26@125.611,100.478
  Bottom Layer w0.127: v1(111.633,93.091) 111.697,93.027 112.585,93.027 v1(112.649,92.964) 113.145,92.964 v1@115.697,90.412 ; v1(121.412,98.933) 122.174,98.171 v1(123.317,98.171) ; v1(124.333,91.059) 124.172,91.059 123.483,90.37 123.483,88.712 v1(124.761,87.433)
  Bottom Layer w0.254: v1(87.122,98.933) 87.122,97.409 87.757,96.774 96.03,96.774 106.063,106.807 v1(110.49,106.807)
  other v1: 115.57,90.297
1V5: C51.2 C52.2 J1.10 U8.2 | length 11.3
  Top Layer w0.127: C52.2@92.558,101.473 92.583,101.448 C51.2@92.583,100.33 92.583,99.128 92.844,98.867 U8.2@92.969,98.867 94.506,98.867 98.23,95.143 J1.10@99.906,95.143
1V8: C17.2 C18.2 C19.2 C36.1 C39.1 C40.1 C41.1 C69.1 C70.1 L2.1 R3.1 R37.2 U1.59 U1.60 U1.61 U1.62 U1.65 U1.66 U1.67 U1.68 U1.69 U1.70 U1.72 U1.79 U2.70 | length 143.3
  Top Layer w0.127: C41.1@104.267,96.241 C40.1@105.537,96.241 ; C39.1@106.807,96.317 106.807,96.52 107.95,97.663 108.839,97.663 109.224,97.278 U1.79@110.309,97.278 ; C36.1@107.061,101.625 107.061,101.549 107.251,101.359 107.328,101.359 108.609,100.078 U1.72@110.309,100.078 110.311,100.076 U1.72@111.024,100.076 ; U1.79@110.109,97.282 111.125,97.282 111.506,97.663 111.506,99.598 111.121,99.983 111.117,99.983 U1.72@111.024,100.076 ; U1.70@110.309,100.878 111.022,100.878 111.117,100.783 111.121,100.783 111.3,100.604 111.3,100.251 111.125,100.076 U1.72@111.024,100.076 ; U1.62@112.522,104.902 112.56,104.94 112.56,106.794 C18.2@112.395,106.959 C17.2@113.411,106.959 C19.2@114.3,106.959 ; v1(132.588,89.043) 133.529,89.984 v1(134.13,89.984)
  Top Layer w0.152: C40.1@105.537,96.241 C39.1@106.807,96.241
  Top Layer w0.254: L2.1@79.37,90.805 79.37,92.41 79.121,92.659 C69.1@79.121,92.735 C70.1@80.391,92.735 80.404,92.723 81.648,92.723 R37.2@81.661,92.71 81.661,92.786 v1(82.4,93.525) ; C39.1@106.807,96.241 C39.1@106.807,96.317 ; v1(107.569,102.222) 107.569,102.21 107.061,101.702 C36.1@107.061,101.625 R3.1@108.331,101.625 ; U1.70@110.309,100.878 U1.69@110.309,101.278 U1.68@110.309,101.678 U1.67@110.309,102.078 U1.66@110.309,102.478 U1.65@110.309,102.878 110.246,102.878 110.234,102.89 110.234,103.122 v1(110.49,103.378) ; U1.62@112.56,104.329 U1.61@112.96,104.329 ; v1(112.903,103.124) 112.948,103.169 112.948,104.317 U1.61@112.96,104.329 ; U1.59@113.76,104.329 U1.60@113.36,104.329 U1.61@112.96,104.329
  Bottom Layer w0.127: v1(110.49,103.378) 110.591,103.378 110.845,103.124 v1(112.903,103.124) ; v1(134.13,89.984) 135.615,89.983 U2.70@135.636,90.004
  Bottom Layer w0.254: v1(107.569,102.222) 102.018,102.222 96.188,96.393 85.268,96.393 v1(82.4,93.525) 82.4,89.05 84.836,86.614 84.836,80.264 88.644,76.456 116.821,76.456 117.013,76.263 127.894,76.263 130.942,79.311 131.592,79.311 132.398,80.117 132.398,88.852 v1(132.588,89.043)
2V8: C45.2 C46.2 J1.4 J1.11 J1.24 R12.2 R13.2 R14.2 U6.2 | length 53.2
  Top Layer w0.127: C46.2@91.338,102.489 C45.2@91.338,103.632 ; R14.2@91.364,91.059 91.44,91.059 92.077,91.696 92.905,91.696 93.352,92.143 J1.4@99.906,92.143 ; v1(91.948,104.545) 91.948,104.165 91.415,103.632 C45.2@91.338,103.632 ; U6.2@92.969,106.995 92.844,106.995 91.338,105.489 C45.2@91.338,103.632 ; v1(99.314,102.616) 99.319,102.611 99.319,102.23 99.406,102.143 J1.24@99.906,102.143
  Top Layer w0.152: v1(98.425,95.631) 98.431,95.637 99.9,95.637 J1.11@99.906,95.643
  Top Layer w0.254: v1(89.662,104.14) 89.74,104.062 89.74,97.352 90.297,96.795 v1(90.297,95.758) ; v1(90.424,92.583) 90.598,92.757 90.827,92.757 91.288,93.218 R12.2@91.364,93.218 91.351,93.205 91.351,92.215 R13.2@91.338,92.202 91.351,92.189 91.351,91.072 R14.2@91.364,91.059
  Bottom Layer w0.127: v1(89.662,104.14) 89.763,104.14 90.168,104.545 v1(91.948,104.545) 97.385,104.545 v1(99.314,102.616)
  Bottom Layer w0.152: v1(90.424,92.583) 95.377,92.583 v1(98.425,95.631)
  Bottom Layer w0.254: v1(90.297,95.758) 90.551,95.504 90.424,95.377 v1(90.424,92.583)
3V0: C33.2 C34.2 C35.2 C56.2 C57.2 C58.1 R27.1 U1.76 U1.115 U9.2 | length 71.1
  Top Layer w0.127: 101.6,87.757 101.981,88.138 101.981,95.303 103.833,97.155 106.832,97.155 108.102,98.425 C33.2@108.179,98.425 109.544,98.425 109.596,98.478 U1.76@110.309,98.478 ; R27.1@111.1,80.772 C58.1@111.1,79.248 111.176,79.248 111.849,79.921 112.687,79.921 113.03,80.264 113.03,81.045 113.195,81.21 113.195,83.858 113.612,84.275 v1(114.173,84.275) ; C35.2@115.951,82.398 115.951,82.474 116.972,83.495 117.277,83.495 v1(117.348,83.566)
  Top Layer w0.152: U1.115@118.96,89.027 118.96,87.515 118.364,86.919 118.923,86.36 v1(119.126,86.36)
  Top Layer w0.254: C57.2@91.364,89.916 C56.2@91.364,88.646 91.44,88.646 92.73,87.356 93.05,87.356 U9.2@93.223,87.183 93.797,87.757 101.6,87.757 101.756,87.757 102.934,86.58 102.934,85.153 103.886,84.201 107.442,84.201 v1(107.696,84.455)
  Bottom Layer w0.127: 110.363,83.439 111.887,84.963 114.032,84.963 115.014,83.981 117.187,83.981 117.277,83.891 117.277,83.637 v1(117.348,83.566) ; v1(114.173,84.275) 114.173,84.221 115.294,83.1 116.952,83.1 117.348,83.496 v1(117.348,83.566) ; v1(119.126,86.36) 119.126,85.344 v1(117.348,83.566)
  Bottom Layer w0.152: v1(107.696,84.455) 108.696,84.455 109.712,83.439 110.363,83.439
3V3: C3.1 C8.2 C9.2 C10.2 C11.2 C12.2 C13.2 C14.2 C15.2 C16.2 C47.2 C53.2 C60.1 C61.1 DS1.1 DS2.1 DS3.1 J2.4 L1.1 R5.2 R7.2 R17.1 R18.1 R19.1 R20.1 R21.1 R22.1 R23.1 R24.1 R29.2 R30.2 R31.2 R32.2 R33.2 R35.2 U1.12 U1.29 U1.50 U1.57 U1.85 U1.93 U1.98 U1.104 U1.109 U1.122 U1.127 U2.67 U5.9 U5.22 | length 254
  Top Layer w0.127: J2.4@94.542,77.781 94.542,79.048 v1(94.928,79.434) ; C13.2@108.077,95.021 108.126,94.972 109.502,94.972 109.596,94.878 U1.85@110.309,94.878 111.022,94.878 111.117,94.783 111.121,94.783 112.141,93.763 112.141,92.753 U1.93@111.066,91.678 ; v1(110.109,83.947) 110.109,85.151 110.668,85.71 110.668,86.538 112.16,88.03 U1.98@112.16,89.027 112.16,90.544 111.046,91.658 U1.93@111.066,91.678 ; 112.18,89.955 113.157,90.932 114.681,90.932 ; v1(113.538,77.343) 114.419,78.224 114.419,81.542 v1(114.173,81.788) ; 114.554,90.297 114.554,90.805 114.681,90.932 ; U1.57@114.554,104.902 114.56,104.908 114.56,105.874 114.935,106.249 114.935,107.495 115.009,107.569 115.976,107.569 116.319,107.226 116.395,107.226 116.586,107.036 C15.2@116.586,106.959 C3.1@117.729,106.959 117.729,106.426 117.352,106.049 ; U1.104@114.56,89.027 114.56,90.297 ; U1.109@116.56,89.027 116.56,89.74 116.465,89.834 116.465,90.037 115.57,90.932 114.681,90.932 ; 117.348,106.045 117.352,106.049 ; U1.50@117.36,104.329 U1.50@117.36,105.041 ; v1(118.265,105.692) 118.193,105.62 117.935,105.62 117.454,105.14 117.454,105.136 U1.50@117.36,105.041 ; v1(118.745,101.727) 114.935,101.727 113.089,99.881 113.089,92.261 112.506,91.678 U1.93@111.066,91.678 ; v1(119.507,87.503) 119.57,87.439 119.57,87.033 C10.2@119.761,86.843 C8.2@121.031,86.843 121.031,87.122 121.74,87.831 121.74,89.007 U1.122@121.76,89.027 121.76,89.74 121.854,89.834 121.854,89.839 122.059,90.043 123.461,90.043 123.666,89.839 123.666,89.834 123.76,89.74 U1.127@123.76,89.027 123.76,88.314 123.854,88.22 123.854,88.215 124.059,88.011 124.74,88.011 124.994,88.265 v1(125.095,88.265) ; v1(123.356,102.108) 123.444,102.108 123.874,101.678 U1.29@125.611,101.678 125.809,101.678 125.857,101.63 125.885,101.658 126.587,101.658 126.772,101.473 v1(126.873,101.473) ; U1.12@125.611,94.878 127.644,94.878 v1(128.016,95.25) 129.057,95.25 C9.2@129.184,95.123 ; v1(127.762,97.663) v1(127.762,100.584) ; 127.99,100.711 C14.2@129.083,100.711 ; v1(129.87,79.324) 129.87,79.727 131.123,80.98 131.123,89.552 v1(131.212,89.641) 132.436,90.864 135.524,90.864 U2.67@135.636,90.753 ; 117.352,106.049 117.352,106.045 U1.50@117.36,105.041
  Top Layer w0.254: 82.46,86.153 83.424,87.117 L1.1@83.439,87.117 83.454,87.117 L1.1@83.83,86.741 ; v1@82.998,105.791 DS3.1@84.055,105.791 84.055,107.642 DS2.1@84.001,107.696 ; DS1.1@84.328,85.163 84.328,86.243 L1.1@83.83,86.741 ; R35.2@85.268,89.281 85.255,89.268 85.255,88.024 C61.1@85.242,88.011 C60.1@85.242,86.741 ; v1(96.012,86.868) R32.2@96.012,86.208 ; v1(110.109,83.947) 110.042,83.947 109.852,83.757 103.594,83.757 C11.2@102.362,84.988 C12.2@101.092,84.988 101.092,85.065 100.965,85.192 100.762,85.192 99.822,86.131 R29.2@99.822,86.208 R30.2@98.552,86.208 98.539,86.22 97.295,86.22 R31.2@97.282,86.233 97.269,86.22 96.025,86.22 R32.2@96.012,86.208 ; L1.1@83.83,86.741 C60.1@85.242,86.741 ; C60.1@85.242,86.741 85.369,86.614 85.645,86.614 86.026,86.233 86.843,86.233 87.554,85.522 87.63,85.522 87.757,85.395 R5.2@87.757,85.319 88.483,85.319 89.952,86.787 92.395,86.787 92.974,86.208 R33.2@94.742,86.208 R32.2@96.012,86.208
  Bottom Layer w0.127: v1(96.012,86.868) 97.155,85.725 97.155,81.661 v1(94.928,79.434) 96.715,79.434 97.282,78.867 97.282,77.343 97.79,76.835 113.03,76.835 v1(113.538,77.343) 114.046,76.835 116.89,76.835 117.144,76.581 127.762,76.581 128.397,77.216 128.397,78.767 U5.22@128.123,79.041 128.153,79.07 129.616,79.07 v1(129.87,79.324) 130.124,79.578 130.124,80.366 C47.2@130.15,80.391 130.226,80.391 130.226,79.832 130.429,79.629 131.46,79.629 131.959,80.128 131.959,80.918 131.47,81.407 R24.1@131.394,81.407 R23.1@131.394,82.423 R22.1@131.394,83.439 R21.1@131.394,84.455 ; v1(110.109,83.947) 111.379,85.217 114.769,85.217 115.086,84.9 118.047,84.9 118.624,85.477 118.624,86.62 v1@119.38,87.376 ; v1(118.265,105.692) 118.745,105.212 118.745,101.993 ; v1(118.745,101.727) 118.846,101.727 119.227,101.346 122.581,101.346 123.343,102.108 v1(123.356,102.108) ; C53.2@122.682,91.719 123.652,91.719 123.948,92.016 124.782,92.016 v1(128.016,95.25) 128.016,95.351 127.762,95.605 v1(127.762,97.663) ; U5.9@124.823,89.541 124.823,88.6 125.095,88.328 v1(125.095,88.265) ; v1(126.873,101.473) v1(127.762,100.584) ; v1(131.212,89.641) 131.212,89.54 131.445,89.307 R17.1@131.445,88.265 R18.1@131.445,87.376 131.445,86.512 R19.1@131.42,86.487 R20.1@131.42,85.598
  Bottom Layer w0.254: v1(82.169,86.106) 79.883,86.106 78.982,87.007 78.982,104.001 80.645,105.664 v1(82.804,105.664) ; R7.2@113.919,80.874 113.919,81.526 114.173,81.78 v1(114.173,81.788)
+5: C44.2 C49.2 C50.2 C55.2 C64.1 C65.1 C66.1 C67.1 J3.A4 J3.A9 J3.B4 J3.B9 J4.A4 J4.A9 J4.B4 J4.B9 U2.68 U6.3 U7.6 U8.3 U9.3 U10.7 U10.8 U10.9 U10.10 U10.16 U10.18 U10.19 U11.7 U11.8 | length 186.7
  Top Layer w0.254: v1(79.121,83.058) 79.144,83.081 80.16,83.081 ; J4.A4@81.198,83.403 J4.B9@81.198,83.103 81.175,83.081 80.16,83.081 ; J3.B9@81.198,106.979 J3.A4@81.198,107.279 ; J4.A9@81.206,78.203 J4.B4@81.206,78.503 ; J3.A9@81.206,102.079 80.631,102.079 79.872,102.838 v1(79.872,106.034) 79.872,106.796 80.332,107.256 81.175,107.256 J3.A4@81.198,107.279 ; C67.1@81.636,88.011 C64.1@81.636,89.154 81.712,89.154 83.436,90.878 U10.10@83.436,91.656 U10.9@83.436,92.056 U10.8@83.436,92.456 U10.7@83.436,92.856 ; v1(85.09,99.06) 85.137,99.107 85.137,99.273 85.618,99.754 U11.7@85.618,99.947 U11.8@86.118,99.947 ; U10.16@86.236,91.656 86.525,91.656 86.868,91.313 86.868,90.805 87.249,90.424 88.189,90.424 88.824,91.059 C65.1@88.9,91.059 ; U10.19@86.236,92.856 U10.18@86.236,92.456 86.263,92.429 C66.1@87.555,92.429 ; v1(87.63,93.218) 87.55,93.138 87.55,92.434 C66.1@87.555,92.429 ; v1(88.9,87.881) C65.1@88.9,91.059 ; v1(89.662,90.678) 89.615,90.725 89.31,90.725 88.976,91.059 C65.1@88.9,91.059 ; U9.3@90.548,86.233 89.916,85.601 v1(89.916,85.408) 89.916,85.293 91.389,83.82 C55.2@91.465,83.82 ; v1(91.567,98.171) 91.5,98.171 91.246,97.917 U8.3@90.544,97.917 ; C49.2@118.618,81.178 118.618,80.01 v1(118.758,79.87) 118.758,79.108 119.05,78.816 U7.6@119.99,78.816 ; v1(133.604,90.424) 133.037,90.424 131.512,88.899 131.512,79.891 128.278,76.657 119.63,76.657 118.563,77.724 v1(116.84,77.724) 116.84,77.343 115.828,76.331 84.232,76.331 82.061,78.503 J4.B4@81.206,78.503 ; 80.16,83.081 79.375,82.296 79.375,79.642 80.368,78.649 80.485,78.649 80.631,78.503 J4.B4@81.206,78.503 ; J3.A4@81.198,107.279 81.221,107.302 81.98,107.302 82.677,107.999 82.677,108.563 82.826,108.712 91.135,108.712 91.262,108.585 90.419,107.742 U6.3@90.419,106.045 U8.3@90.419,97.917 U8.3@90.544,97.917 ; C66.1@87.555,92.429 C66.1@87.655,92.329 87.732,92.329 91.034,95.631 C50.2@91.338,95.631 91.338,97.123 U8.3@90.544,97.917
  Bottom Layer w0.127: v1(116.84,77.724) 116.84,78.129 117.197,78.486 117.58,78.486 118.758,79.663 v1(118.758,79.87) ; v1(133.604,90.424) 135.556,90.424 U2.68@135.636,90.504
  Bottom Layer w0.254: v1(79.121,83.058) 78.601,83.578 78.601,104.763 v1(79.872,106.034) ; v1(83.058,90.424) 89.341,90.424 89.595,90.678 v1(89.662,90.678) 89.662,91.186 v1(87.63,93.218) ; v1(85.09,99.06) 85.884,99.854 89.884,99.854 v1(91.567,98.171) ; v1(88.9,87.881) 88.9,86.424 v1(89.916,85.408)
ADC0: U1.112 U2.58 | length 20.6
  Top Layer w0.127: U1.112@117.76,89.027 117.76,89.74 117.854,89.834 117.854,89.839 118.059,90.043 118.596,90.043 119.993,91.44 121.412,91.44 v1(122.174,90.678)
  Bottom Layer w0.127: v1(122.174,90.678) 122.97,90.678 123.237,90.945 123.596,90.945 124.151,91.499 127.756,91.499 129.099,92.842 133.886,92.842 134.048,93.004 U2.58@135.636,93.004